# Altium PCB Calipso V3.0 REV0.0.PcbDoc (part 2 of 4)
Units mm, origin at the board's own origin, x right, y up, seen from the top; angles counter-clockwise.
Board outline 192.5 x 156.5 mm, 4 copper layers (Component Side, Ground Plane, Power Plane, Solder Side), stack 0.844 mm thick; 384 components, 292 nets, 1388 pads, 365 vias.
Unrouted connection lines stored in the file: 28.
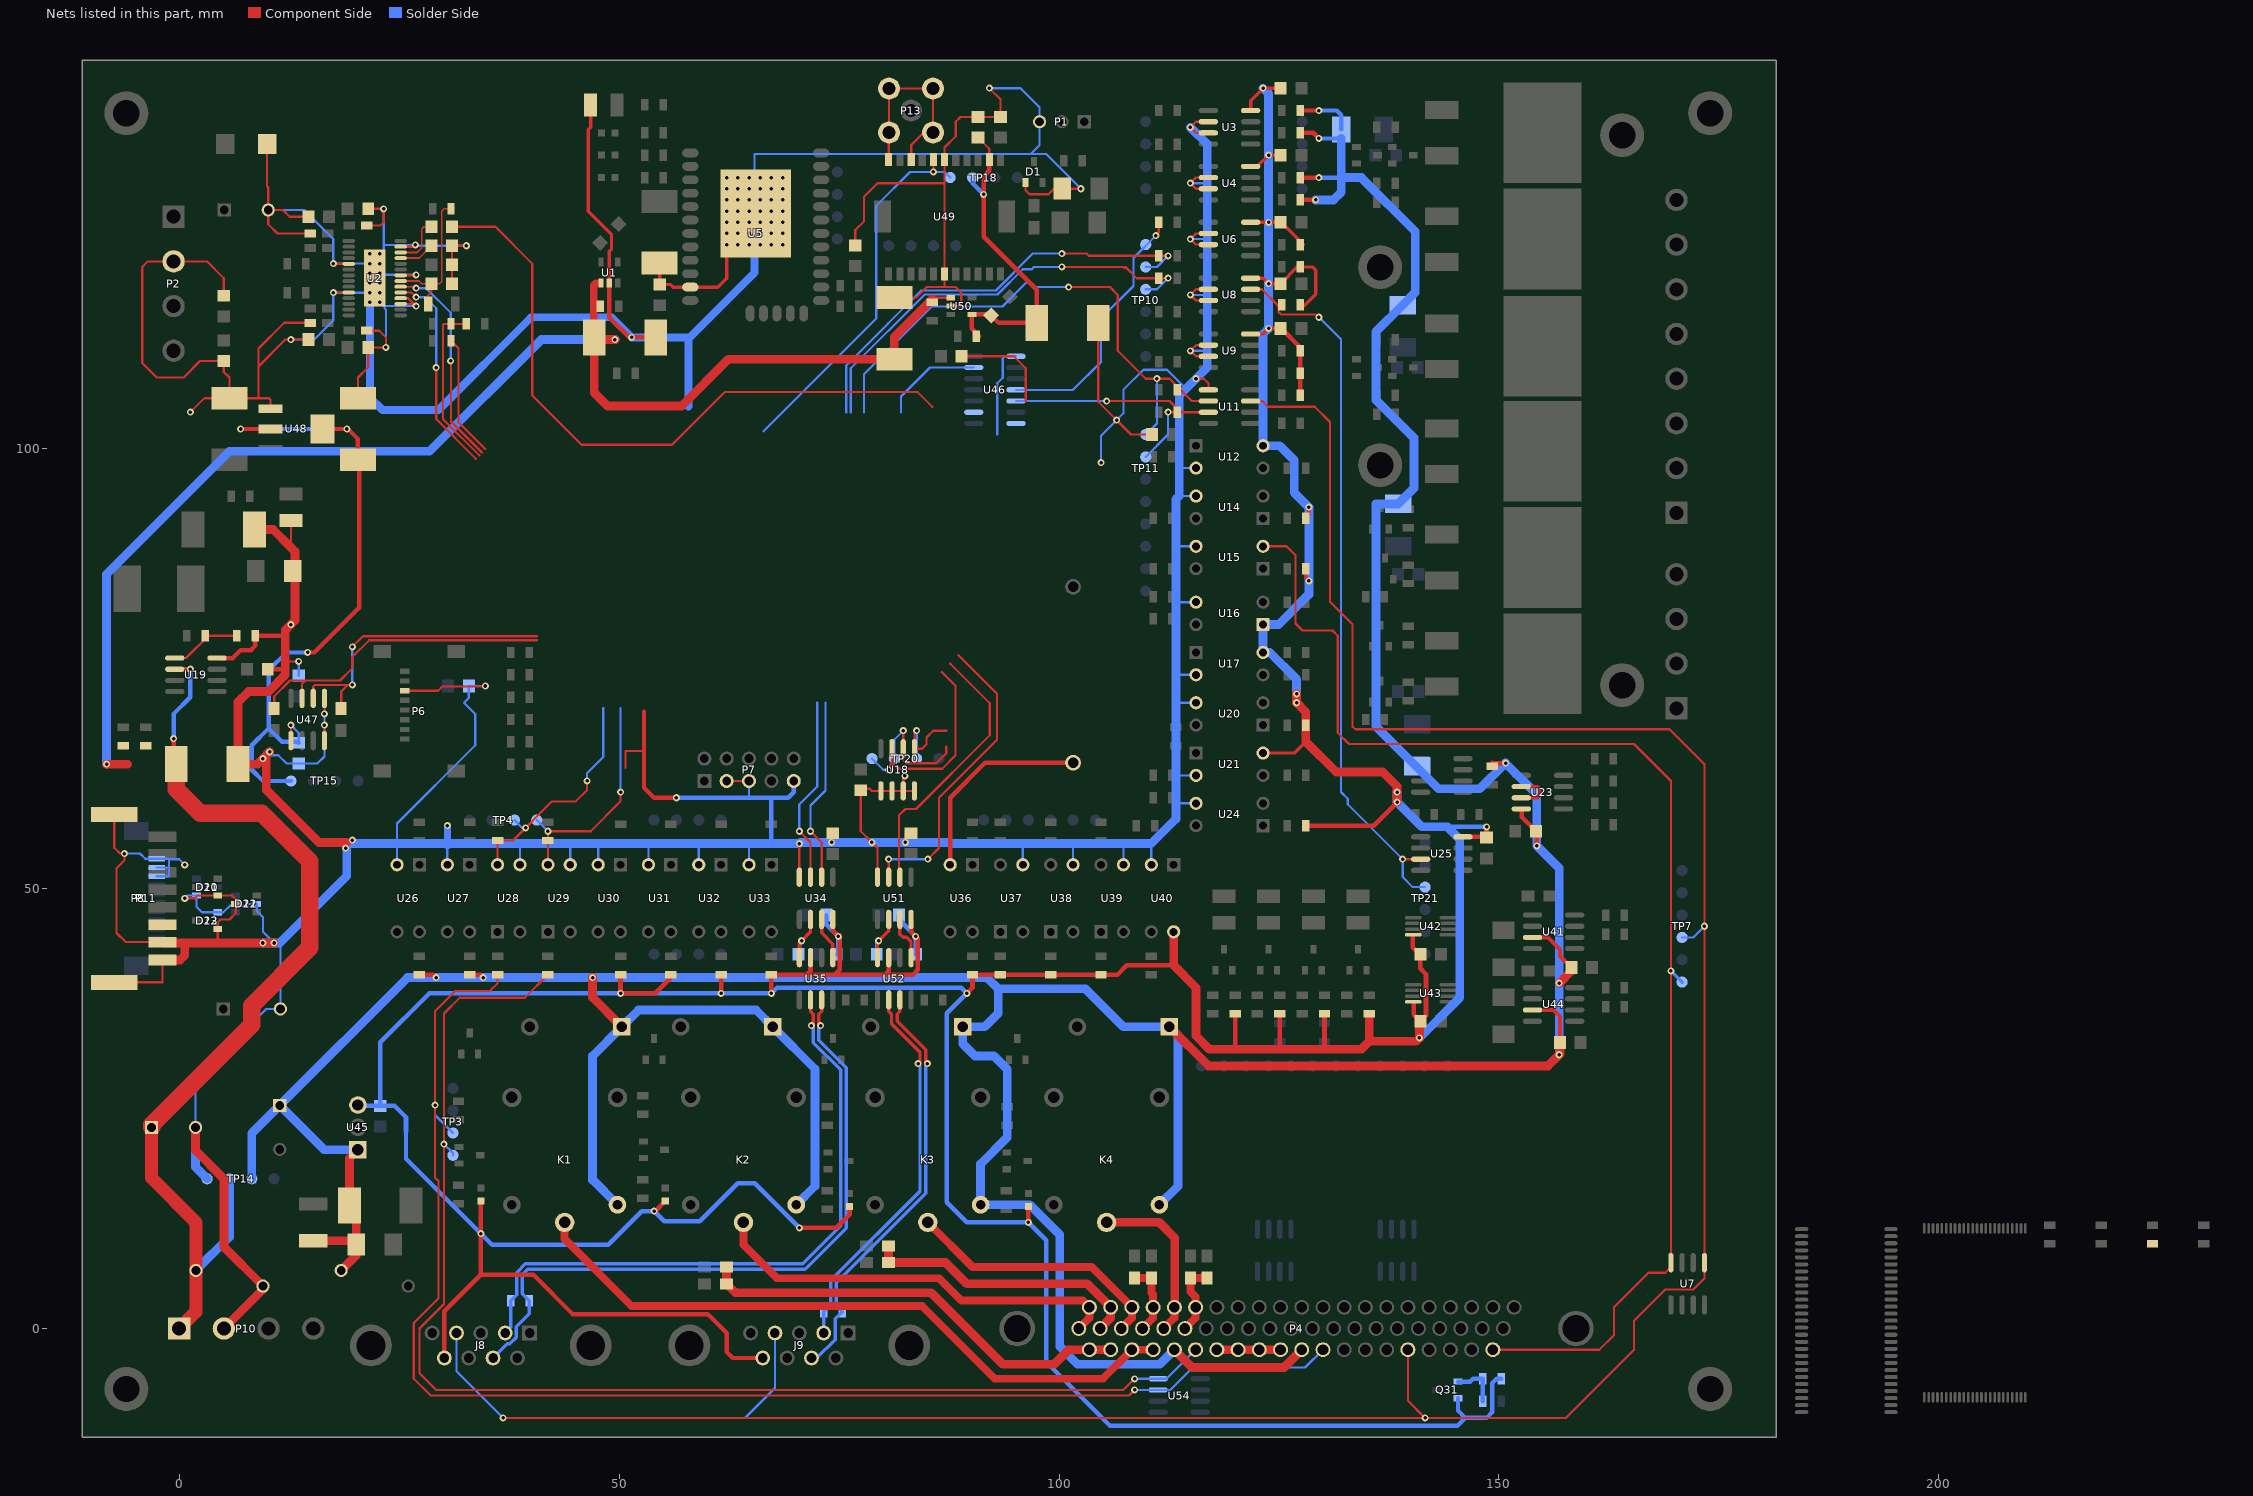
[diagram p4: the nets of this part, all layers, seen from the top]

## Part data
BOOT1 GPS1 R107 WIFI1: "Chip resistor"
C1 C4 C6 C7 C8 C10 C11 C12 C13 C14 C15 C16 C17 C20 C21 C25 C26 C27 C29 C30 C31 C32 C33 C35 C36 C37 C38 C42 C43 C53 C60 C61 C62 C63 C68 C69 C72 C73 C74 C75 C76 C77 C78 C79 C80: "Surface-mount ceramic multilayer capacitor"
C2 C5 C22 C28 C41 C64 C65 C66 C67: library part "Cap Pol Chip", "Polarized Capacitor (Radial)"
C3: "Polarized Capacitor (Radial) Very low impedance"
C9 C18: library part "ChipCap 0.47uF X7R", "Surface-mount ceramic multilayer capacitor"
C34 C39 C40: "Polarized Capacitor (Radial)"
C81 C82 C83 C84: library part "ChipCap 1000 X7R", "Surface-mount ceramic multilayer capacitor"
D1 D10 D12 D21 D23: "Small signal schottky dual diode"
D2: "Transient Voltage Suppressor 600W bi-directional"
D4 D13 D14 D20: "Transient Voltage Suppressor 600W uni-directional"
D6 D9: "Schottky diode"
D11 D22: "Low capacitance bidirectional double ESD protection diode"
D15 D16 D17 D18: "1 Amp General Purpose Rectifier"
F2: library part "Fuse PTC1812", "Fuse PTC 1812 Thermoresistor"
FB1 FB2: library part "Ferrite Bead"
J8 J9: "Receptacle Assembly, 9 Position, Right Angle"
K1 K2 K3 K4: library part "Relay G5LE", "Relay G5LE 10A Single Pole"
L1 L5 L6 L7 L8 L9 L10: library part ChipInductance
LED3 LED4 LED5 LED6 LED7 LED8 LED9 LED10 LINK1 PWR1 RUN1 "STM PWR 1" "WIFI PWR 1": library part LED0603
P1: library part "Header 3 latch", "Header 3 with latch"
P2 P5 P10: library part Socket_4x5.08_RA_2Wall, "Terminal Block Socket Right Angle 4x5.08mm 2-Wall"
P3: library part Socket_8x5.08_RA_2Wall, "Terminal Block Socket Right Angle 8x5.08mm 2-Wall"
P4: "Dsub 62 Mail"
P6: library part MicroSDHeader8
P13: "SMB Straight Connector"
Q1 Q6 Q9 Q12 Q14 Q16: "HEXFET N-Channel Power MOSFET"
Q4 Q10 Q15 Q18 Q23 Q24 Q25 Q26 Q27 Q28 Q29 Q30: "NPN transistor"
Q5 Q11 Q13 Q17 Q19 Q20 Q21 Q22 Q31: "PNP Transistor"
R1 R2 R3 R4 R5 R6 R7 R8 R9 R10 R11 R12 R13 R14 R15 R16 R17 R18 R19 R20 R21 R22 R23 R24 R25 R26 R27 R28 R29 R30 R31 R32 R33 R34 R35 R36 R37 R38 R39 R41 R42 R43 R44 R46 R47 R48 R49 R50 R51 R52 R53 R54 R55 R56 R57 R58 R59 R60 R61 R62 R63 R64 R65 R66 R67 R68 R69 R70 R71 R72 R73 R74 R75 R76 R77 R78 R81 R82 R83 R84 R85 R86 R87 R88 R89 R90 R91 R92 R93 R94 R97 R98 R99 R100 R101 R102 R103 R104 R105 R106 R108 R109 R110 R111 R112 R113 R116 R117 R118 R119 R120 R121 R122 R123 R124 R125 R126 R127 R128 R129 R130 R131 R132 R133 R134 R135 R136 R137 R138 R141 R142 R143 R144 R145 R146 R154 R155 R156 R157: "Think Film Chip resistor"
R147: library part "RES0805 100R 1%", "Think Film Chip resistor"
RU1 RU2: library part "Varistor S14K25", "varistor"
TP1 TP2 TP3 TP4 TP6 TP11 TP12 TP13 TP14 TP15 TP16 TP17 TP18 TP20: library part PG-1.5-13.5-4P-2.54PH
TP5 TP7 TP8 TP9 TP10 TP21: library part PG-1.5-13.5-6P-2.54PH
U1 U50: library part LM3671MF, "600-mA Step-Down DC-DC Converter"
U2: "25-W filter-free mono class-D audio power amplifier with speaker guard"
U3 U4 U6 U8 U9 U11: "2-channel opto-coupler"
U5: library part SPWF01, "Serial-to-Wi-Fi b/g/n intelligent module"
U7 U10 U53 U54: "Transil Array for ESD protection"
U12 U14 U15 U16 U17 U20 U21 U24 U26 U27 U28 U29 U30 U31 U32 U33 U36 U37 U38 U39 U40: "4-Pin Phototransistor Optocoupler"
U18: "256 Kbit I2C EEPROM"
U19: "DC/DC converter control circuit"
U22: "Adjustable Precision Shunt Regulator"
U23: "Dual Operational Amplifier"
U25: library part TLC6515, "10-bit analog to digiyal converter"
U34 U47 U51: library part HCPL-0931-000E, "2-bit bi-direction optoisolated buffer"
U35 U52: library part MCP2551-I/SN, "CAN Transceiver"
U41 U44: "Operational Amplifier"
U42 U43: "SAR 12-bit Analog-to-Digital  (A/D)"
U45: "Linear voltage regulator 1A"
U46: "Hex Inverter"
U48: "Power Mgt Voltage Regulator"
U49: library part ML8088, "GPS Receiver"
U56: "SDRAM 512Mb x16"

## Free pads (board coordinates)
  round 5 hole 3: H(-6,-6.87) H(-6,138.13) H(136.5,98.13) H(136.5,120.63) H(164,73.13) H(164,135.63) H(174,-6.87) H(174,138.13)

## Via types
v1: diameter 0.8, hole 0.4, Component Side to Solder Side, tented both sides, 349 vias
v2: diameter 0.8, hole 0.4, Component Side to Solder Side, 12 vias
v3: diameter 1.5, hole 1, Component Side to Solder Side, 2 vias
v4: diameter 3, hole 2, Component Side to Solder Side, 2 vias

## Nets (pads, with @x,y where several pads share a name; then routed paths per layer and width w, separated by ;. In a path a pad name is that pad's centre, name@x,y a point inside that pad or via, vN(x,y) a via of type N, cw(c..) or ccw(c..) an arc to the next point about the centre after c; other vN are vias at no path point)
0: P13.2 U49.20 U49.22 | length 22.8
  Component Side w0.254: U49.22@80.645,133.119 80.645,136.144 80.685,136.184 P13.2@80.685,141.184 ; P13.2@80.685,140.93 P13.2@85.685,140.93 P13.2@85.685,135.93 84.622,135.93 83.208,134.516 U49.20@83.208,132.865
5V: C2.1 C28.1 C39.1 C66.1 P10.1 R1.2 R70.1 R71.1 R141.2 RU1.2 TP14.3 U1.1 U19.6 U50.1 | length 264.9
  Component Side w0.254: 85.758,117.155 U50.1@87.7,117.155
  Component Side w0.381: 47.625,118.815 U1.1@47.945,118.815
  Component Side w0.5: U19.6@-0.895,74.93 v1(1.27,74.93) ; v1(-0.635,67.056) -0.635,64.445 C28.1@-0.325,64.135
  Component Side w0.8: C2.1@47.12,114.427 47.12,118.621 47.314,118.815 47.625,118.815
  Component Side w1: v1(-8.255,64.135) -5.842,64.135 ; v1(49.53,112.395) 47.427,112.395 C2.1@47.173,112.649 47.173,106.37 48.704,104.838 57.087,104.838 62.413,110.165 C66.1@81.28,110.165 81.28,112.677 R141.2@85.598,116.995
  Component Side w1.5: C39.1@-3.135,22.86 -3.135,17.105 1.905,12.065 RU1.2@1.905,6.604 1.905,1.905 P10.1@0,0
  Component Side w2: C39.1@-3.135,22.86 -3.135,23.154 8.255,34.544 8.255,36.703 14.859,43.307 14.859,53.086 9.398,58.547 2.413,58.547 -0.325,61.285 C28.1@-0.325,64.135
  Solder Side w0.5: v1(-0.635,67.056) -0.635,69.85 1.27,71.755 v1(1.27,74.93)
  Solder Side w1: v1(-8.255,64.135) -8.255,85.725 5.715,99.695 28.448,99.695 41.148,112.395 v1(49.53,112.395) ; RU1.2@1.905,6.604 5.715,10.414 TP14.3@5.715,17.018
12V: C32.2 C36.1 C38.1 C40.1 C41.1 D15.2 D16.2 D17.2 D18.2 D20.1 F2.1 K1.5 K2.5 K3.5 K4.5 L6.1 L7.2 L8.2 L9.2 P4.47 P4.53 R3.1 R5.2 R14.2 R17.1 R77.2 R106.2 R107.2 RU2.2 TP14.2 U23.8 U41.7 U44.7 U45.1 | length 556.7
  Component Side w0.5: R106.2@27.305,40.225 28.864,40.225 v1(29.211,39.878) ; R107.2@33.021,40.225 34.198,40.225 v1(34.545,39.878) ; R17.1@127.79,128.27 v1(129.159,128.27) ; R14.2@127.79,130.81 v1(129.54,130.81) ; R5.2@127.79,135.89 128.905,135.89 v1(129.54,135.255) ; R3.1@127.79,138.43 v1(129.54,138.43) ; R77.2@149.225,64.29 149.253,64.262 v1(150.749,64.262) ; U23.8@152.59,59.055 152.59,58.135 154.305,56.42 v1(154.305,54.864) ; U44.7@153.81,36.195 156.21,36.195 156.94,35.465 C38.1@156.94,33.02 ; U41.7@153.81,44.45 155.575,44.45 156.94,43.085 156.94,42.323 C36.1@158.242,41.021
  Component Side w1: F2.1@15.24,9.965 19.685,9.965 D20.1@20.125,9.525 ; RU2.2@18.415,6.604 20.125,8.314 D20.1@20.125,9.525 ; U45.1@20.32,20.32 19.36,19.36 C41.1@19.36,13.97 20.125,13.205 D20.1@20.125,9.525 ; v1(46.991,39.878) 46.991,37.614 D15.2@50.315,34.29 ; D18.2@112.545,34.29 116.99,29.845 155.575,29.845 v1(156.845,31.115) 156.94,31.21 C38.1@156.94,32.512 ; P4.47@113.112,-2.413 115.144,-4.445 125.558,-4.445 P4.53@127.59,-2.413 ; v1(156.845,39.243) 158.242,40.64 C36.1@158.242,41.021
  Solder Side w0.5: v1(129.54,130.81) 132.08,130.81 ; v1(129.54,135.255) L6.1@132.08,135.255 ; v1(129.54,138.43) 131.572,138.43 132.088,137.914 L6.1@132.088,136.271
  Solder Side w1: TP14.2@8.255,17.018 8.255,22.185 C40.1@11.43,25.36 ; U45.1@20.32,20.32 16.47,20.32 C40.1@11.43,25.36 ; K1.5@49.815,14.065 46.99,16.89 46.99,30.965 D15.2@50.315,34.29 52.22,36.195 65.555,36.195 D16.2@67.46,34.29 72.263,29.487 72.263,16.193 K2.5@70.135,14.065 ; K4.5@111.41,14.065 113.538,16.193 113.538,33.297 D18.2@112.545,34.29 107.315,34.29 102.997,38.608 93.091,38.608 ; P4.47@113.112,-2.413 111.461,-4.064 102.108,-4.064 100.076,-2.032 100.076,10.668 96.679,14.065 K3.5@91.09,14.065 91.09,18.7 94.107,21.717 94.107,29.464 92.583,30.988 90.424,30.988 89.05,32.362 D17.2@89.05,34.29 91.567,34.29 93.091,35.814 93.091,38.608 ; v1(129.159,128.27) 131.191,128.27 132.08,129.159 132.08,130.81 ; L6.1@132.08,135.255 132.08,130.81 ; v1(156.845,31.115) v1(156.845,39.243) 156.845,52.324 v1(154.305,54.864) 154.305,60.706 v1(150.749,64.262) 147.828,61.341 143.129,61.341 136.017,68.453 136.017,84.328 136.012,84.333 136.012,93.726 138.549,93.726 140.335,95.512 140.335,101.219 136.012,105.542 136.012,113.271 L7.2@139.065,116.324 140.5,117.759 140.5,124.676 134.366,130.81 132.08,130.81 ; C40.1@11.43,25.36 25.948,39.878 v1(34.545,39.878) v1(46.991,39.878) 91.821,39.878 93.091,38.608
15V: P4.49 P4.50 P4.51 P4.52 | length 7.2
  Component Side w1: P4.49@117.938,-2.413 P4.50@120.351,-2.413 P4.51@122.764,-2.413 P4.52@125.177,-2.413
+5DV: C25.2 C65.1 TP15.1 U47.1 U48.2 U48.4 | length 77.7
  Component Side w0.254: U47.1@12.7,66.815 v1(12.7,68.58)
  Component Side w0.5: v1(6.985,102.235) U48.2@10.385,102.235 ; v1(14.605,76.835) 15.367,76.835 20.447,81.915 C65.1@20.447,98.735 ; U48.4@16.285,102.235 v1(19.05,102.235) 19.177,102.235 20.32,101.092 C65.1@20.32,98.735
  Solder Side w0.254: v1(12.7,68.58) 13.589,67.691 C25.2@13.589,66.58
  Solder Side w0.5: v1(6.985,102.235) v1(19.05,102.235) ; TP15.1@12.7,62.23 9.525,62.23 8.255,63.5 8.255,66.294 10.16,68.199 ; C25.2@13.589,66.58 13.494,66.675 11.684,66.675 10.16,68.199 ; v1(14.605,76.835) 12.192,76.835 10.16,74.803 10.16,68.199
ADC_MISO: R35.1 TP11.2 U11.7 U46.5 | length 29.6
  Component Side w0.254: v1(105.41,105.41) 112.55,105.41 113.82,104.14 U11.7@116.98,104.14 ; v1(112.395,104.14) R35.1@113.445,104.14
  Solder Side w0.254: U46.5@95.11,105.41 v1(105.41,105.41) ; TP11.2@109.855,99.06 112.395,101.6 v1(112.395,104.14)
AGND: "STM PWR 1.1" "WIFI PWR 1.1" C2.2 C3.2 C5.2 C6.2 C10.1 C12.1 C13.1 C15.2 C16.2 C17.1 C20.2 C21.2 C22.2 C25.1 C26.1 C27.1 C28.2 C34.2 C39.2 C60.2 C63.1 C64.2 C65.2 C66.2 C67.2 C68.1 C69.1 C72.1 C76.2 C77.1 C78.1 C79.1 C80.1 C81.1 C82.1 C83.1 C84.1 D1.1 D2.1 D4.2 D9.1 D10.1 D11.3 D12.1 D21.1 D22.3 D23.1 P1.3 P2.2 P6.3 P7.3 P7.5 P7.9 P8.7 P8.8 P8.9 P8.10 P10.2 P11.8 P11.9 P11.10 P12.1 R56.1 R64.1 RU1.1 TP14.4 U1.2 U2.3 U2.4 U2.8 U2.13 U2.19 U2.24 U2.29 U3.2 U3.3 U4.2 U4.3 U5.23 U5.25 U6.2 U6.3 U8.2 U8.3 U9.2 U9.3 U11.5 U12.2 U14.3 U15.3 U16.3 U17.2 U18.1 U18.2 U18.3 U18.4 U19.4 U20.3 U21.2 U24.3 U26.2 U27.2 U28.3 U29.3 U30.2 U31.2 U32.2 U33.2 U34.4 U36.2 U37.3 U38.3 U39.3 U40.2 U46.7 U47.4 U47.5 U48.1 U49.6 U49.17 U50.2 U51.4 | length 1108.1
  Component Side w0.254: P8.10@-7.385,39.345 -1.93,39.345 -1.905,39.37 P8.8@-1.905,41.88 ; P8.9@-7.385,58.445 -7.385,54.629 -6.731,53.975 v1(-6.223,53.975) -6.223,53.212 -7.112,52.323 -7.112,44.963 -6.091,43.942 -1.967,43.942 P8.7@-1.905,43.88 ; v1(0.635,48.895) 1.778,48.895 2.098,49.215 6.03,49.215 6.42,48.825 D11.3@6.42,48.26 6.42,47.187 5.715,46.482 4.699,46.482 4.375,46.158 D12.1@4.375,45.405 4.375,43.872 4.318,43.815 ; v1(0.635,52.705) v1@0.877,52.705 ; v1(1.27,104.14) 2.865,105.735 C64.2@5.715,105.735 ; C15.2@5.08,117.38 5.08,119.38 3.175,121.285 P2.2@-0.635,121.285 -3.556,121.285 -4.191,120.65 -4.191,109.728 -2.54,108.077 0.508,108.077 2.381,109.95 C20.2@5.08,109.95 5.08,108.712 5.715,108.077 C64.2@5.715,105.735 ; D2.1@9.995,134.62 9.995,129.832 10.12,129.707 C3.2@10.12,127.127 ; U48.1@10.385,104.535 10.385,105.566 10.216,105.735 9.017,105.735 ; 12.065,75.819 v1(13.589,75.819) ; 12.573,88.9 12.573,89.027 12.7,89.154 12.7,91.845 ; C79.1@14.7,112.395 v1(12.7,112.395) 12.065,112.395 9.017,109.347 ; C77.1@14.7,126.365 12.573,126.365 11.811,127.127 C3.2@10.12,127.127 ; C83.1@14.875,114.3 11.938,114.3 9.017,111.379 9.017,109.347 ; C82.1@14.875,124.46 11.176,124.46 10.12,125.516 C3.2@10.12,127.127 ; U47.4@16.51,66.815 v1(16.51,68.58) ; v1(16.51,69.85) U47.5@16.51,71.615 ; v1(17.526,117.729) 17.552,117.755 U2.24@19.275,117.755 ; v1(17.526,121.031) 17.552,121.005 U2.19@19.275,121.005 ; C65.2@20.32,105.735 20.32,108.077 21.495,109.252 C80.1@21.495,111.506 v1(23.495,111.506) 23.495,112.649 22.733,113.411 C84.1@21.32,113.411 ; C81.1@21.32,125.349 22.86,125.349 23.241,125.73 v1(23.241,127.254) C78.1@21.495,127.254 ; U2.3@25.175,116.455 v1@26.674,116.455 ; U2.4@25.175,117.105 26.012,117.105 26.623,116.494 26.635,116.494 v1@26.674,116.455 ; U2.8@25.175,119.705 26.853,119.705 26.924,119.634 v1(26.924,119.761) ; U2.13@25.175,122.955 v1@26.689,122.955 ; P6.3@25.626,72.492 29.432,72.492 29.911,72.971 34.871,72.971 34.817,73.025 v1(34.798,73.025) ; v1(26.924,116.205) v1@26.674,116.455 ; C63.1@31.02,118.745 C10.1@31.02,123.063 v1(32.639,123.063) ; 50.734,63.697 50.734,65.593 50.771,65.63 52.803,65.63 52.803,65.561 ; P7.3@62.23,62.23 P7.5@64.77,62.23 ; U34.4@70.486,51.295 v1(70.486,55.118) ; v1(74.168,55.245) 74.168,56.166 C27.1@74.295,56.293 ; C16.2@76.835,123.095 76.835,124.841 77.851,125.857 77.851,128.651 79.375,130.175 86.995,130.175 ; U51.4@79.375,51.295 79.375,54.61 v1(78.74,55.245) 77.47,56.515 C12.1@77.47,61.182 77.629,61.341 78.486,61.341 78.727,61.1 U18.1@79.756,61.1 U18.2@81.026,61.1 U18.3@82.296,61.1 ; C66.2@81.28,117.165 83.764,117.165 84.963,118.364 86.995,118.364 ; v1(82.486,62.801) 82.296,62.611 U18.3@82.296,61.1 ; v1(82.55,55.245) C72.1@82.55,56.293 ; U18.4@83.566,61.1 U18.3@82.296,61.1 ; U50.2@87.7,116.205 88.773,116.205 88.9,116.332 88.9,117.729 88.265,118.364 86.995,118.364 ; C17.1@88.932,110.49 94.869,110.49 96.21,109.149 96.21,105.41 ; v1(92.075,140.97) 93.345,139.7 C69.1@93.345,137.7 C68.1@90.805,137.7 88.805,137.7 88.265,137.16 88.265,135.509 86.995,134.239 U49.17@86.995,132.865 86.995,130.175 ; D1.1@96.205,130.245 96.205,129.347 96.647,128.905 98.806,128.905 99.441,129.54 D4.2@100.389,129.54 v1(102.489,129.54) ; C67.2@104.465,114.3 104.465,105.327 108.192,101.6 C21.2@110.585,101.6 ; v1(115.57,107.95) 116.459,107.95 116.98,107.429 U11.5@116.98,106.68 ; U9.3@116.98,110.49 115.57,110.49 v1(114.935,111.125) 115.57,111.76 U9.2@116.98,111.76 ; U8.3@116.98,116.84 115.57,116.84 v1(114.935,117.475) 115.57,118.11 U8.2@116.98,118.11 ; U6.3@116.98,123.19 115.57,123.19 v1(114.935,123.825) 115.57,124.46 U6.2@116.98,124.46 ; U4.3@116.98,129.54 115.57,129.54 v1(114.935,130.175) 115.57,130.81 U4.2@116.98,130.81 ; U3.3@116.98,135.89 115.57,135.89 v1(114.935,136.525) 115.57,137.16 U3.2@116.98,137.16 ; C64.2@5.715,105.735 9.017,105.735 ; 9.017,105.735 9.017,109.347 ; 86.995,118.364 U49.6@86.995,119.865 86.995,130.175
  Component Side w0.381: 46.76,139.065 46.76,136.549 46.482,136.271 46.482,127 49.144,124.338 49.144,122.682 48.895,122.433 U1.2@48.895,118.815 ; C5.2@54.61,121.415 C6.2@54.61,118.65 55.848,118.65 56.134,118.364 U5.23@58.097,118.364 61.214,118.364 62.23,119.38 62.23,123.38 U5.25@65.59,126.74
  Component Side w0.5: U19.4@4.705,76.2 6.096,76.2 6.985,77.089 8.128,77.089 8.67,77.631 R56.1@8.67,78.74 12.065,78.74 ; C26.1@10.065,74.93 12.065,74.93 ; U1.2@48.895,118.815 48.895,114.913 51.159,112.649 v1(51.435,112.649) C2.2@54.173,112.649 ; 52.832,70.104 52.832,61.468 53.975,60.325 v1(56.515,60.325) ; U36.2@87.63,52.705 87.63,60.325 91.6,64.295 P12.1@101.6,64.295
  Component Side w1: P8.8@-1.905,41.88 0.097,41.88 0.635,42.418 0.635,43.815 ; P8.7@-1.905,43.88 -1.84,43.815 0.635,43.815 ; C39.2@1.865,22.86 1.865,20.233 5.08,17.018 5.08,9.271 RU1.1@9.525,4.826 9.525,4.445 P10.2@5.08,0 ; C22.2@8.58,90.805 10.668,90.805 12.573,88.9 13.17,88.303 13.17,80.48 v1(12.7,80.01) 12.065,79.375 12.065,78.74 12.065,75.819 12.065,74.93 12.065,74.295 10.16,72.39 7.874,72.39 6.675,71.191 C28.2@6.675,64.135 8.89,64.135 v1(9.525,64.77) v1(10.287,65.532) ; 9.906,65.151 9.906,61.214 15.875,55.245 19.05,55.245 ; v1(10.795,43.815) v1(9.525,43.815) 4.318,43.815 0.635,43.815
  Solder Side w0.254: v1(-6.223,53.975) -4.445,53.975 -3.865,53.395 P11.10@-2.54,53.395 -1.198,53.395 -1.143,53.34 ; P11.8@-2.54,51.395 -1.183,51.395 -1.143,51.435 -1.143,52.395 ; P11.9@-2.54,52.395 -1.143,52.395 ; v1(0.635,48.895) 0.955,49.215 D21.1@1.975,49.215 1.975,47.936 2.606,47.305 D23.1@4.375,47.305 5.014,47.305 5.769,48.06 7.674,48.06 7.874,48.26 D22.3@8.82,48.26 8.82,47.441 9.525,46.736 9.525,45.085 v1(10.795,43.815) ; v1(0.635,52.705) 0,53.34 -1.143,53.34 ; C39.2@1.865,22.86 1.865,28.281 9.906,36.322 C34.2@11.505,36.322 11.505,43.74 11.43,43.815 ; 9.906,65.151 11.271,65.151 12.192,64.23 15.716,64.23 16.51,65.024 v1(16.51,68.58) v1(16.51,69.85) ; C3.2@10.12,127.127 14.224,127.127 17.526,123.825 v1(17.526,121.031) v2(21.675,121.03) v2(21.675,121.03) ; v1(12.7,112.395) 15.367,112.395 17.526,114.554 v1(17.526,117.729) v2(21.675,117.73) v2(21.675,117.73) ; C13.1@13.589,74.2 v1(13.589,75.819) ; v2(22.775,116.63) 23.2,116.205 v1(26.924,116.205) ; v2(22.775,119.93) 22.944,119.761 v1(26.924,119.761) ; 23.241,122.682 23.241,123.151 ; v1(23.241,127.254) 23.241,123.151 ; 23.368,115.951 23.495,115.824 v1(23.495,111.506) ; U26.2@24.765,52.705 24.765,55.117 24.765,57.404 33.655,66.294 33.655,69.85 32.385,71.12 32.925,71.66 C60.2@32.925,73.025 v1(34.798,73.025) ; U27.2@30.481,52.705 30.481,54.864 ; v1(32.639,123.063) 26.947,123.063 v1(26.859,123.151) 23.241,123.151 ; U28.3@38.735,52.705 38.735,55.117 ; U29.3@44.451,52.705 44.451,55.118 ; U30.2@47.625,52.705 47.625,55.117 ; U31.2@53.34,52.705 53.34,55.117 ; U32.2@59.055,52.705 59.056,55.118 ; U33.2@64.77,52.705 64.77,55.117 ; P7.5@64.77,62.23 64.77,60.452 64.897,60.325 ; 65.278,127.508 65.405,127.635 65.405,133.477 96.774,133.477 ; v1@67.183,123.444 68.326,122.301 ; U36.2@87.63,52.705 87.63,54.991 87.757,55.118 ; v1(92.075,140.97) 95.631,140.97 97.79,138.811 P1.3@97.79,137.16 97.79,134.493 96.774,133.477 ; U37.3@95.885,52.705 95.885,55.118 ; U38.3@101.6,52.705 101.6,55.118 ; v1(102.489,129.54) 98.552,133.477 96.774,133.477 ; v1(104.775,98.425) 104.775,101.473 v1(106.553,103.251) 107.315,104.013 107.315,106.68 109.601,108.966 112.268,108.966 114.427,106.807 ; U39.3@107.315,52.705 107.315,54.991 107.442,55.118 ; U40.2@110.49,52.705 110.49,55.118 ; 113.284,59.69 U24.3@115.57,59.69 ; 113.284,62.865 U21.2@115.57,62.865 ; 113.284,71.12 U20.3@115.57,71.12 ; 113.284,74.295 U17.2@115.57,74.295 ; 113.284,82.677 113.411,82.55 U16.3@115.57,82.55 ; 113.284,88.9 U15.3@115.57,88.9 ; 113.665,94.615 U14.3@115.57,94.615 ; 113.665,97.79 U12.2@115.57,97.79 ; v1(114.935,111.125) 116.84,111.125 ; v1(114.935,117.475) 116.84,117.475 ; v1(114.935,123.825) 116.84,123.825 ; v1(114.935,130.175) 116.84,130.175 ; -1.143,52.395 -1.143,53.34
  Solder Side w0.5: v1(56.515,60.325) 64.897,60.325 67.31,60.325 ; 67.183,55.118 67.31,55.245 67.31,60.325 ; P7.9@69.85,62.23 69.85,60.96 69.215,60.325 67.31,60.325
  Solder Side w0.8: 30.481,54.864 v1(30.481,57.15)
  Solder Side w0.9: v2(21.675,116.63) 21.675,105.833 23.114,104.394 29.464,104.394 40.005,114.935 49.149,114.935 v1(51.435,112.649) 57.785,112.649 57.912,112.522 ; 57.912,104.775 57.912,112.522 ; 65.405,125.095 65.405,120.015 57.912,112.522 ; 66.675,123.19 66.675,124.968
  Solder Side w1: C39.2@1.865,22.86 1.865,18.328 TP14.4@3.175,17.018 ; v1(9.525,43.815) v1(10.795,43.815) 11.43,43.815 19.05,51.435 19.05,55.117 24.765,55.117 30.479,55.117 ; 9.906,65.151 v1(10.287,65.532) ; 30.48,55.118 38.736,55.118 44.451,55.118 47.626,55.118 53.341,55.118 59.056,55.118 64.771,55.118 67.183,55.118 v1(70.486,55.118) 70.613,55.245 v1(74.168,55.245) v1(78.74,55.245) v1(82.55,55.245) 87.63,55.245 87.757,55.118 95.885,55.118 101.6,55.118 107.442,55.118 110.49,55.118 113.284,57.912 113.284,59.69 113.284,62.865 113.284,71.12 113.284,74.295 113.284,82.677 113.284,88.9 113.284,94.234 113.665,94.615 113.665,97.79 113.665,106.045 114.427,106.807 v1(115.57,107.95) 116.84,109.22 116.84,111.125 116.84,117.475 116.84,123.825 116.84,130.175 116.84,134.62 v1(114.935,136.525)
  other v1: 18.923,54.61 19.685,55.499 62.23,123.19 63.5,123.19 64.77,123.19 66.04,123.19 67.31,123.19 68.58,123.19 62.23,124.46 63.5,124.46 64.77,124.46 66.04,124.46 67.31,124.46 68.58,124.46 62.23,125.73 63.5,125.73 64.77,125.73 66.04,125.73 67.31,125.73 68.58,125.73 62.23,127 63.5,127 64.77,127 66.04,127 67.31,127 68.58,127 62.23,128.27 63.5,128.27 64.77,128.27 66.04,128.27 67.31,128.27 68.58,128.27 62.23,129.54 63.5,129.54 64.77,129.54 66.04,129.54 67.31,129.54 68.58,129.54 62.23,130.81 63.5,130.81 64.77,130.81 66.04,130.81 67.31,130.81 68.58,130.81
  other v2: 22.775,117.73 21.675,118.83 22.775,118.83 21.675,119.93 22.775,121.03 21.675,122.13 22.775,122.13
AREL1: K1.1 P4.45 P4.46 | length 76.7
  Component Side w0.9: K1.1@43.815,12.065 43.815,10.16 51.435,2.54 84.455,2.54 92.71,-5.715 104.984,-5.715 P4.45@108.286,-2.413 P4.46@110.699,-2.413
AREL2: J10.1 J11.1 P4.43 P4.44 | length 50
  Component Side w1: J11.1@62.21,6.985 J10.1@62.21,5.08 63.226,4.064 85.471,4.064 93.599,-4.064 99.441,-4.064 101.092,-2.413 P4.43@103.46,-2.413 P4.44@105.873,-2.413
AUDIO_GAIN0: U2.5 | length 23.7
  Component Side w0.2: U2.5@25.175,117.755 26.39,117.755 v1(26.924,117.221)
  Component Side w0.254: v1(29.21,109.22) 29.21,103.371 33.715,98.866
  Solder Side w0.254: v1(26.924,117.221) 27.94,117.221 29.21,115.951 v1(29.21,109.22)
AUDIO_GAIN1: U2.6 | length 24.3
  Component Side w0.2: U2.6@25.175,118.405 26.756,118.405 v1(26.924,118.237)
  Component Side w0.254: v1(30.861,109.982) 30.895,109.948 30.895,103.09 34.417,99.568
  Solder Side w0.254: v1(26.924,118.237) 28.067,118.237 30.861,115.443 v1(30.861,109.982)
AUDIO_NCS: R144.1 | length 13.9
  Component Side w0.254: R144.1@30.895,112.268 31.75,111.413 31.75,102.997 34.798,99.949
AUDIO_NFLT: R143.1 R147.2 | length 19.2
  Component Side w0.2: R143.1@30.895,114.173 R147.2@32.605,114.173
  Component Side w0.254: R143.1@30.895,114.173 30.099,114.173 29.972,114.046 29.972,103.371 34.096,99.247
AVCC: C63.2 R145.2 R146.1 U2.7 | length 16.5
  Component Side w0.2: U2.7@25.175,119.055 27.249,119.055 27.559,118.745 C63.2@28.67,118.745 ; R145.2@28.295,116.459 28.295,117.449 28.67,117.824 C63.2@28.67,118.745 ; R146.1@30.895,127.254 30.099,127.254 29.845,127 29.845,118.999 29.591,118.745 C63.2@28.67,118.745
BREL1: K2.1 P4.1 P4.22 | length 47.7
  Component Side w0.9: K2.1@64.135,12.065 64.135,9.525 67.945,5.715 86.36,5.715 88.9,3.175 102.695,3.175 P4.1@103.46,2.41 103.46,1.21 P4.22@102.25,0
BREL2: J12.1 J13.1 P4.2 P4.23 | length 32.2
  Component Side w1: J13.1@80.625,9.398 J12.1@80.625,7.493 87.122,7.493 89.535,5.08 103.203,5.08 P4.2@105.873,2.41 105.873,1.21 P4.23@104.663,0
CAN1_N: J8.2 R51.1 U35.6 | length 73.7
  Component Side w0.381: U35.6@71.756,37.351 71.756,36.06 72.073,35.743 72.073,34.627 v1(71.864,34.417)
  Solder Side w0.381: J8.2@37.06,-0.51 37.685,0.115 R51.1@37.685,3.175 38.354,3.844 38.354,6.359 39.361,7.366 70.866,7.366 75.184,11.684 75.184,29.392 72.073,32.503 72.073,34.207 v1(71.864,34.417)
CAN1_P: J8.7 R51.2 U35.7 | length 78.2
  Component Side w0.381: v1(72.918,34.417) 72.708,34.627 72.708,35.743 73.026,36.06 U35.7@73.026,37.351
  Solder Side w0.381: J8.7@35.675,-3.35 37.28,-1.745 37.572,-1.745 38.296,-1.022 38.296,0.198 39.785,1.687 R51.2@39.785,3.175 38.989,3.971 38.989,6.096 39.624,6.731 71.129,6.731 71.315,6.917 75.819,11.421 75.819,29.655 72.708,32.766 72.708,34.207 v1(72.918,34.417)
CAN1_RX: U34.3 | length 21.2
  Component Side w0.254: v1(70.486,56.515) 71.756,55.245 U34.3@71.756,51.295
  Solder Side w0.254: v1(70.486,56.515) 70.486,59.564 72.517,61.595 72.517,71.12
CAN1_TX: U34.2 | length 21.1
  Component Side w0.254: v1(71.756,56.515) 73.026,55.245 U34.2@73.026,51.295
  Solder Side w0.254: v1(71.756,56.515) 71.756,59.437 73.463,61.144 73.463,71.12
CAN2_N: J9.2 R142.1 U52.6 | length 44
  Component Side w0.381: U52.6@80.645,37.351 80.645,36.06 80.962,35.743 80.962,34.662 84.201,31.423 84.201,30.309 v1(83.991,30.099)
  Solder Side w0.381: J9.2@73.255,-0.51 73.245,-0.5 R142.1@73.245,1.905 74.041,2.701 74.041,5.461 84.201,15.621 84.201,29.889 v1(83.991,30.099)
CAN2_P: J9.7 R142.2 U52.7 | length 48.6
  Component Side w0.381: U52.7@81.915,37.351 81.915,36.06 81.597,35.743 81.597,34.925 84.836,31.686 84.836,30.309 v1(85.046,30.099)
  Solder Side w0.381: J9.7@71.87,-3.35 72.469,-3.35 74.549,-1.27 74.549,1.109 R142.2@75.345,1.905 74.676,2.574 74.676,5.198 84.836,15.358 84.836,29.889 v1(85.046,30.099)
CAN2_RX: U51.3 | length 34.1
  Component Side w0.254: U51.3@80.645,51.93 v1(80.645,53.34) ; v1(85.09,53.34) 86.36,54.61 86.36,60.325 92.964,66.929 92.964,72.136 88.582,76.517
  Solder Side w0.254: v1(80.645,53.34) v1(85.09,53.34)
CAN2_TX: U51.2 | length 31.1
  Component Side w0.254: U51.2@81.915,51.295 81.823,51.387 81.823,58.328 82.55,59.055 83.759,59.055 92.129,67.425 92.129,71.066 87.63,75.565
CH_LASER_AIN: U23.6 U23.7 | length 5.2
  Component Side w0.384: U23.7@152.59,60.325 154.432,60.325 154.686,60.579 154.686,61.341 154.432,61.595 U23.6@152.59,61.595
CH_NERR: P4.62 TP7.6 U7.4 U15.2 | length 151.4
  Component Side w0.254: U15.2@123.19,88.9 125.857,88.9 126.873,87.884 126.873,80.137 127.686,79.324 131.09,79.324 131.674,78.74 131.674,67.716 132.969,66.421 132.986,66.421 165.354,66.421 169.545,62.23 v1(169.545,40.64) U7.4@169.545,7.48 169.545,6.985 168.91,6.35 167.005,6.35 163.068,2.413 163.068,-0.762 161.417,-2.413 P4.62@149.307,-2.413
  Solder Side w0.384: v1(169.545,40.64) TP7.6@170.815,39.37
CH_PULSE: Q31.1 R156.1 R157.2 | length 5.5
  Solder Side w0.5: Q31.1@145.345,-6.035 146.746,-6.035 147.066,-5.715 R156.1@148.175,-5.715 R157.2@148.175,-8.255
COOL_PWM: U46.13 | length 11.4
  Solder Side w0.254: 82.042,104.14 82.042,105.918 85.344,109.22 U46.13@90.31,109.22
CREL1: K3.1 P4.3 P4.24 | length 30.1
  Component Side w0.9: K3.1@85.09,12.065 90.17,6.985 103.711,6.985 P4.3@108.286,2.41 108.286,1.21 P4.24@107.076,0
CREL2: J14.1 J15.1 P4.4 P4.25 | length 8.2
  Component Side w0.9: J14.1@108.585,5.735 J15.1@110.49,5.735 110.49,4.064 110.699,3.855 P4.4@110.699,2.41 110.699,1.21 P4.25@109.489,0
DAC_CS: R23.1 TP10.3 | length 49.2
  Component Side w0.254: v1(100.33,120.65) 107.315,120.65 107.442,120.523 107.569,120.65 108.839,119.38 R23.1@110.97,119.38 ; R23.1@111.345,119.38 v1(112.395,119.38)
  Solder Side w0.254: 76.327,104.14 76.327,109.129 84.727,117.529 93.018,117.529 95.885,120.396 96.901,120.396 97.155,120.65 v1(100.33,120.65) ; TP10.3@109.855,118.11 111.125,118.11 v1(112.395,119.38)
DAC_MOSI: R19.1 TP10.1 U46.4 | length 29.6
  Component Side w0.254: v1(110.998,124.206) 111.345,124.553 R19.1@111.345,125.73
  Solder Side w0.254: U46.4@95.11,106.68 101.6,106.68 104.775,109.855 104.775,114.808 108.458,118.491 108.458,121.666 v1(110.998,124.206)
DAC_N: C10.2 U2.11 | length 4.1
  Component Side w0.2: U2.11@25.175,121.655 27.262,121.655 C10.2@28.67,123.063
DAC_OUT: C4.1 | length 76.8
  Component Side w0.254: C4.1@31.02,125.222 35.941,125.222 40.132,121.031 40.132,106.045 45.72,100.457 56.007,100.457 61.976,106.426 83.947,106.426 85.598,104.775
DAC_P: C4.2 U2.12 | length 6
  Component Side w0.2: U2.12@25.175,122.305 27.055,122.305 27.559,122.809 27.559,124.968 27.813,125.222 C4.2@28.67,125.222
DAC_SCK: R21.1 TP10.2 | length 50
  Component Side w0.254: v1(100.33,122.174) 103.124,122.174 103.378,121.92 R21.1@110.97,121.92 ; R21.1@111.345,121.92 v1(112.395,121.92)
  Solder Side w0.254: 75.819,104.14 75.819,109.453 80.594,114.228 80.594,114.249 84.328,117.983 92.83,117.983 97.021,122.174 v1(100.33,122.174) ; TP10.2@109.855,120.65 111.125,120.65 v1(112.395,121.92)
DACI_CS: R24.1 TP21.3 U8.7 U25.3 | length 82.1
  Component Side w0.254: U8.7@121.78,118.11 123.035,118.11 124.94,116.205 124.94,115.544 125.222,115.262 129.213,115.262 v1(129.54,114.935) ; v1(139.065,53.34) U25.3@141.11,53.34
  Solder Side w0.254: v1(129.54,114.935) 132.046,112.429 132.046,60.987 132.823,60.21 132.823,59.582 v1(139.065,53.34) 139.065,51.308 140.208,50.165 TP21.3@141.605,50.165
DREL1: K4.1 P4.5 P4.26 | length 19.3
  Component Side w0.9: P4.26@111.902,0 113.112,1.21 P4.5@113.112,2.41
  Component Side w1: K4.1@105.41,12.065 111.379,12.065 113.157,10.287 113.157,2.455 P4.5@113.112,2.41
DREL2: J16.1 J17.1 P4.6 P4.27 | length 8.4
  Component Side w0.9: P4.27@114.315,0 115.525,1.21 P4.6@115.525,2.41 115.525,3.601 114.935,4.191 J16.1@114.935,5.735 J17.1@116.84,5.735
DWIN_BUSY: P8.6
DWIN_RX: J5.1 U47.7 | length 36.8
  Component Side w0.254: J5.1@10.795,70.465 10.795,71.855 12.6,73.66 14.351,73.66 ; U47.7@13.97,71.615 13.97,73.279 14.351,73.66 ; 40.64,78.232 21.59,78.232 19.685,76.327 19.685,75.057 18.288,73.66 14.351,73.66
DWIN_TX: J4.1 U47.6 | length 34.6
  Component Side w0.254: U47.6@15.24,71.615 15.24,72.952 15.44,73.152 19.177,73.152 ; J4.1@18.415,70.465 18.415,72.39 19.177,73.152 ; v1(19.685,73.152) 19.177,73.152 ; v1(19.685,77.47) 20.901,78.686 40.64,78.686
  Solder Side w0.254: v1(19.685,73.152) v1(19.685,77.47)
EEPROM_NWC: TP20.1 U18.7 | length 23.2
  Component Side w0.254: v1(80.645,63.5) 80.645,63.881 81.026,64.262 ; U18.7@81.026,65.9 81.026,64.262 ; 86.677,74.612 88.234,73.056 88.234,65.139 86.722,63.627 81.661,63.627 81.026,64.262
  Solder Side w0.254: TP20.1@78.74,64.77 80.01,63.5 v1(80.645,63.5)
FAN_PWM1: U46.9
FAN_PWM2: U46.1 | length 10.5
  Solder Side w0.254: 92.975,101.6 92.975,107.431 93.599,108.056 93.599,110.236 93.853,110.49 U46.1@95.11,110.49
FEEDBACK: R55.1 R56.2 U19.5 | length 8.1
  Component Side w0.254: U19.5@-0.895,76.2 0.79,76.2 3.33,78.74 R56.2@6.195,78.74
FLOW_SEN1: P4.54 R108.1 TP3.3 U54.3 | length 162.8
  Component Side w0.254: R108.1@36.195,40.225 36.195,39.243 35.306,38.354 31.369,38.354 29.083,36.068 v1(29.083,25.4) 29.083,17.136 29.464,16.755 29.464,3.429 26.67,0.635 26.67,-5.701 28.589,-7.62 107.95,-7.62 v1(108.585,-6.985)
  Solder Side w0.254: v1(29.083,25.4) 29.083,24.257 TP3.3@31.115,22.225 ; v1(108.585,-6.985) U54.3@111.265,-6.985 112.649,-6.985 115.189,-4.445 127.971,-4.445 P4.54@130.003,-2.413
FLOW_SEN2: P4.48 R109.1 TP3.4 U54.4 | length 148.3
  Component Side w0.254: R109.1@41.911,40.225 39.278,37.592 31.877,37.592 30.099,35.814 v1(30.099,20.955) 30.099,2.794 27.305,0 27.305,-5.08 29.21,-6.985 107.315,-6.985 v1(108.585,-5.715)
  Solder Side w0.254: v1(30.099,20.955) 31.115,19.939 TP3.4@31.115,19.685 ; v1(108.585,-5.715) U54.4@111.265,-5.715 112.223,-5.715 P4.48@115.525,-2.413
FLOW_SENS1: R89.1 TP4.3 U28.4 | length 27
  Component Side w0.254: U28.4@36.195,52.705 R89.1@36.195,55.465 37.94,55.465 42.385,59.91 45.085,59.91 46.355,61.18 v1(46.355,62.23)
  Solder Side w0.254: TP4.3@38.101,57.785 38.99,56.896 v1(39.371,56.896) ; v1(46.355,62.23) 46.355,63.119 48.189,64.953 48.189,70.485
FLOW_SENS2: R90.1 TP4.4 U29.4 | length 26.1
  Component Side w0.254: U29.4@41.911,52.705 R90.1@41.911,55.465 ; R90.1@42.165,55.465 R90.1@41.911,55.465 ; v1(50.165,60.96) 50.165,59.91 46.77,56.515 v1(41.911,56.515) R90.1@41.911,55.465
  Solder Side w0.254: TP4.4@40.641,57.785 v1(41.911,56.515) ; v1(50.165,60.96) 50.165,64.135 50.165,70.485
FOOTSW: J8.4 J9.4 P4.58 TP7.4 U7.1 U11.3 | length 352.9
  Component Side w0.254: v1(36.83,-10.16) v1(141.605,-10.16) ; U11.3@121.78,105.41 123.09,105.41 123.725,104.775 129.06,104.775 130.81,103.025 130.81,82.586 133.361,80.035 133.361,68.453 ; 133.361,68.432 133.361,68.453 ; P4.58@139.655,-2.413 139.655,-8.21 v1(141.605,-10.16) ; 133.361,68.453 133.388,68.426 133.388,68.405 133.685,68.108 169.382,68.108 173.355,64.135 v1(173.355,45.72) U7.1@173.355,7.48 173.355,5.715 172.085,4.445 168.91,4.445 165.354,0.889 165.354,-2.413 157.607,-10.16 v1(141.605,-10.16)
  Solder Side w0.254: J8.4@31.52,-0.51 31.52,-4.85 v1(36.83,-10.16) 64.31,-10.16 67.715,-6.755 J9.4@67.715,-0.51 ; TP7.4@170.815,44.45 172.085,44.45 v1(173.355,45.72)
FOOTSW1: R32.2 TP11.1 U11.6 | length 64
  Component Side w0.254: v1(101.092,118.364) 105.791,118.364 106.68,117.475 106.68,111.125 109.855,107.95 v1(111.125,107.95) 112.55,107.95 115.09,105.41 U11.6@116.98,105.41
  Solder Side w0.254: 77.851,104.14 77.851,108.498 85.52,116.167 93.582,116.167 96.287,118.872 96.72,118.872 97.228,118.364 v1(101.092,118.364) ; TP11.1@109.855,101.6 111.125,102.87 v1(111.125,107.95)
GPS3V3: C67.1 C68.2 GPS1.1 L10.1 TP18.2 U49.13 U50.4 | length 37.4
  Component Side w0.254: C68.2@90.805,135.35 92.075,134.08 U49.13@92.075,132.865
  Component Side w0.5: GPS1.1@90.96,112.776 90.1,113.636 U50.4@90.1,115.255 92.174,115.255 L10.1@92.284,115.144 93.129,114.3 C67.1@97.465,114.3 97.465,118.054 91.44,124.079 v1(91.44,128.905) 91.44,130.937 92.075,131.572 U49.13@92.075,132.865
  Solder Side w0.5: TP18.2@90.17,130.81 90.17,130.175 v1(91.44,128.905)
GPS_RST: TP18.1 U49.18 | length 42.6
  Component Side w0.254: v1(85.725,131.445) U49.18@85.725,132.865
  Solder Side w0.254: 66.421,101.981 79.232,114.792 79.232,127.619 83.058,131.445 v1(85.725,131.445) 86.995,131.445 TP18.1@87.63,130.81
I2C1_SCL: TP20.2 U18.6 | length 13.2
  Component Side w0.254: v1(82.296,67.945) U18.6@82.296,65.9 82.296,64.6 82.646,64.25 86.075,64.25 87.184,65.359 87.184,66.155
  Solder Side w0.254: TP20.2@81.28,64.77 81.28,66.929 v1(82.296,67.945)
I2C1_SDA: TP20.3 U18.5 | length 10.2
  Component Side w0.254: v1(83.82,67.945) 83.566,67.691 U18.5@83.566,65.9 84.423,65.9 84.932,66.409 84.932,67.171 85.694,67.933 87.184,67.933
  Solder Side w0.254: TP20.3@83.82,64.77 v1(83.82,67.945)
I5V: C1.1 C7.1 C8.1 C11.1 C14.1 C29.2 C31.2 C33.1 C35.1 C37.1 C62.2 C73.2 C75.2 J8.9 J9.9 LED7.2 LED8.2 LED9.2 LED10.2 Q31.2 R20.2 R22.2 R24.2 R29.2 R31.2 R33.1 R44.2 R48.2 R73.2 R103.2 R110.2 R111.2 R112.2 R113.2 R116.2 R117.2 R118.2 R119.2 R123.2 R125.2 R127.2 R129.2 R156.2 U3.8 U4.8 U6.8 U8.8 U9.8 U12.4 U16.1 U17.4 U21.4 U25.8 U34.8 U35.3 U40.4 U42.8 U43.8 U45.3 U51.8 U52.3 | length 675.3
  Component Side w0.384: U9.8@121.78,113.03 123.19,113.03 v1(123.825,113.665) C14.1@125.19,113.665 C14.1@125.25,113.665 ; U8.8@121.78,119.38 123.19,119.38 v1(123.825,118.745) C11.1@125.19,118.745 127.095,120.65 128.778,120.65 129.159,120.269 129.159,117.574 R24.2@127.79,116.205 ; U6.8@121.78,125.73 v1(123.825,125.73) 125.25,125.73 R20.2@127.79,123.19 ; U4.8@121.78,132.08 122.555,132.08 v1(123.825,133.35) C7.1@125.19,133.35 ; U3.8@121.78,138.43 121.78,139.56 v1(123.19,140.97) C1.1@125.19,140.97 ; U21.4@123.19,65.405 126.758,65.405 128.05,66.697 ; R48.2@128.05,86.36 128.05,85.31 v1(128.397,84.963) ; R44.2@128.05,92.075 128.397,92.422 v1(128.397,93.345) v1@128.425,93.317
  Component Side w0.5: 34.29,6.096 40.259,6.096 44.715,1.64 60.082,1.64 62.23,-0.508 62.23,-2.667 62.913,-3.35 J9.9@66.33,-3.35 ; v1(34.29,10.795) LED7.2@34.29,14.49 ; U51.8@83.185,46.495 83.185,45.085 v1(83.693,44.577)
  Component Side w0.524: J8.9@30.135,-3.35 30.135,1.941 34.29,6.096 v1(34.29,10.795) ; R110.2@50.166,39.849 v1(50.166,38.1) 54.13,38.1 55.88,39.85 R111.2@55.88,40.225 ; v1(53.975,13.335) 54.09,13.335 LED8.2@55.245,14.49 ; v1(61.596,38.1) R112.2@61.595,39.85 ; R113.2@67.31,40.225 71.341,40.225 ; v1(67.311,38.1) R113.2@67.311,39.849 ; v1(70.485,11.43) 74.676,11.43 76.2,12.954 LED9.2@76.2,13.855 ; U35.3@71.756,42.151 71.756,40.64 71.341,40.225 ; U34.8@74.296,46.495 74.296,45.211 v1(74.93,44.577) 75.058,44.449 75.058,40.768 74.515,40.225 ; U52.3@80.645,42.151 80.645,40.64 80.23,40.225 ; v1(83.693,44.577) 83.947,44.323 83.947,40.767 83.405,40.225 80.23,40.225 ; v1(89.535,38.1) 90.17,38.735 R116.2@90.17,39.85 ; R116.2@90.17,40.225 R117.2@93.345,40.225 R118.2@99.06,40.225 R119.2@104.775,40.225 106.646,40.225 107.696,41.275 113.03,41.275 ; v1(96.52,12.065) LED10.2@96.52,13.855 ; 120.015,31.75 R123.2@120.015,35.405 ; 125.095,31.75 R125.2@125.095,35.405 ; C14.1@125.25,113.665 127.415,111.5 R29.2@127.415,111.125 R31.2@127.415,108.585 R33.1@127.415,106.045 ; R103.2@128.425,57.15 135.763,57.15 v1(138.43,59.817) ; 130.175,31.75 R127.2@130.175,35.405 ; U42.8@140.208,44.577 140.208,43.307 140.97,42.545 C35.1@141.065,42.545 141.065,40.926 141.713,40.278 141.713,35.573 C37.1@141.065,34.925 140.335,35.655 U43.8@140.335,36.957 ; U25.8@145.91,55.88 C33.1@148.495,55.88 ; C33.1@148.59,55.785 v1(148.59,57.023) ; 71.341,40.225 74.515,40.225 ; 74.515,40.225 80.23,40.225
  Component Side w1: U40.4@113.03,45.085 113.03,41.275 115.57,38.735 115.57,33.274 117.094,31.75 120.015,31.75 125.095,31.75 130.175,31.75 134.366,31.75 135.255,32.639 ; v1(127,72.136) v1(127,71.12) 128.05,70.07 R73.2@128.05,68.58 128.05,66.697 131.501,63.246 136.779,63.246 138.43,61.595 v1(138.43,60.96) v1(138.43,59.817) ; R129.2@135.255,35.405 135.255,32.639 ; C37.1@141.065,34.925 140.97,34.83 v1(140.97,33.02) 140.589,32.639 135.255,32.639
  Solder Side w0.5: 25.781,22.352 25.781,19.304 v1(34.29,10.795) 35.56,9.525 48.768,9.525 52.578,13.335 v1(53.975,13.335) ; Q31.2@145.345,-7.935 145.345,-9.328 146.177,-10.16 148.59,-10.16 149.225,-9.525 149.225,-6.223 149.733,-5.715 R156.2@150.275,-5.715
  Solder Side w0.524: U45.3@20.32,25.4 20.415,25.305 C62.2@22.86,25.305 ; 25.781,22.352 25.781,24.003 24.479,25.305 C62.2@22.86,25.305 ; v1(53.975,13.335) 55.118,12.192 59.182,12.192 63.5,16.51 65.405,16.51 v1(70.485,11.43) ; C29.2@73.565,46.99 73.565,45.942 v1(74.93,44.577) 74.93,42.767 C31.2@74.708,42.545 ; C73.2@81.82,46.99 81.82,46.45 v1(83.693,44.577) 83.725,44.545 C75.2@83.725,42.545 ; 144.145,57.023 v1(148.59,57.023) ; 146.177,-10.16 145.288,-11.049 105.791,-11.049 98.552,-3.81 98.552,10.033 v1(96.52,12.065) 89.535,12.065 87.249,14.351 87.249,35.814 v1(89.535,38.1) 88.9,38.735 67.946,38.735 v1(67.311,38.1) v1(61.596,38.1) 28.448,38.1 22.86,32.512 C62.2@22.86,25.305
  Solder Side w1: v1(123.19,140.97) 123.825,140.335 v1(123.825,133.35) v1(123.825,125.73) v1(123.825,118.745) v1(123.825,113.665) 123.19,113.03 U12.4@123.19,100.33 125.095,100.33 126.746,98.679 126.746,94.996 v1(128.397,93.345) v1(128.397,84.963) 128.397,83.439 124.968,80.01 U16.1@123.19,80.01 U17.4@123.19,76.835 123.952,76.835 127,73.787 v1(127,72.136) v1(127,71.12) ; v1(138.43,60.96) v1(138.43,59.817) 141.224,57.023 144.145,57.023 145.542,55.626 145.542,37.592 v1(140.97,33.02)
ICAN1_RX: C30.2 U34.6 U35.4 | length 6.6
  Component Side w0.384: U35.4@70.486,42.151 70.486,43.815 v1(70.74,44.069) 71.756,45.085 U34.6@71.756,46.495
  Solder Side w0.384: C30.2@70.518,42.418 70.518,43.847 v1(70.74,44.069)
ICAN1_TX: U34.7 U35.1 | length 4.9
  Component Side w0.384: U34.7@73.026,46.495 73.026,44.958 74.296,43.688 U35.1@74.296,42.151
ICAN2_RX: C74.2 U51.6 U52.4 | length 6.5
  Component Side w0.381: U52.4@79.375,42.151 79.375,43.942 v1(79.502,44.069) 80.645,45.212 U51.6@80.645,46.495
  Solder Side w0.381: C74.2@79.28,42.545 79.28,43.847 v1(79.502,44.069)
ICAN2_TX: U51.7 U52.1 | length 5.1
  Component Side w0.381: U51.7@81.915,46.495 81.915,44.831 82.296,44.45 82.677,44.45 83.185,43.942 U52.1@83.185,42.151